# Altium PCB NANOEveryV3.0.PcbDoc
Units mm, origin at the board's own origin, x right, y up, seen from the top; angles counter-clockwise.
Board outline 43.18 x 17.78 mm, 4 copper layers (Top, PWR, MID, Bottom), stack 0.925 mm thick; 54 components, 49 nets, 279 pads, 133 vias.
Unrouted connection lines stored in the file: 5.
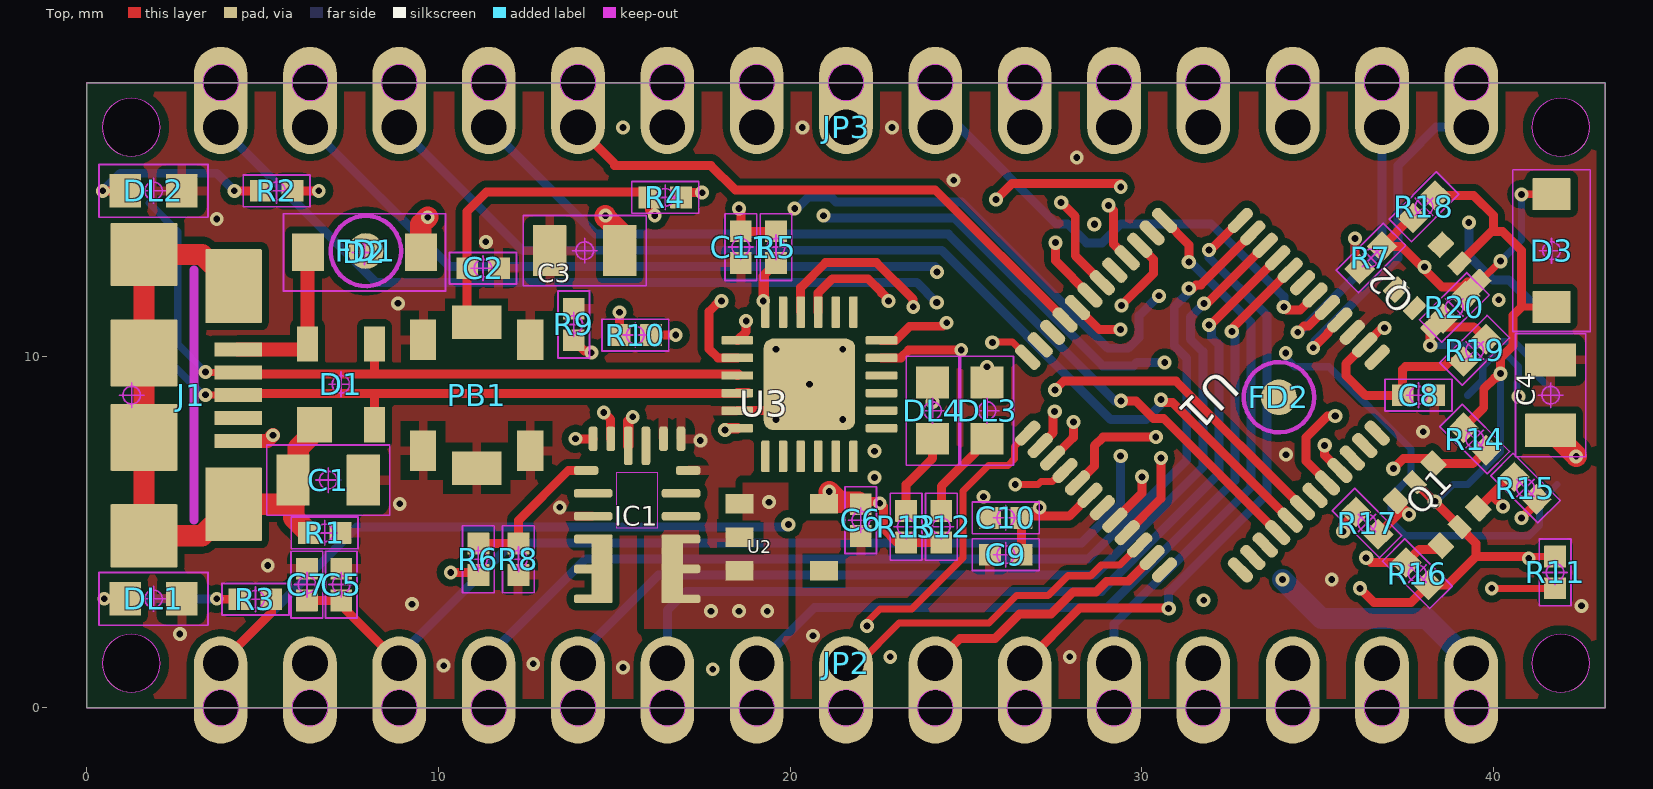
[diagram p0: Top view]
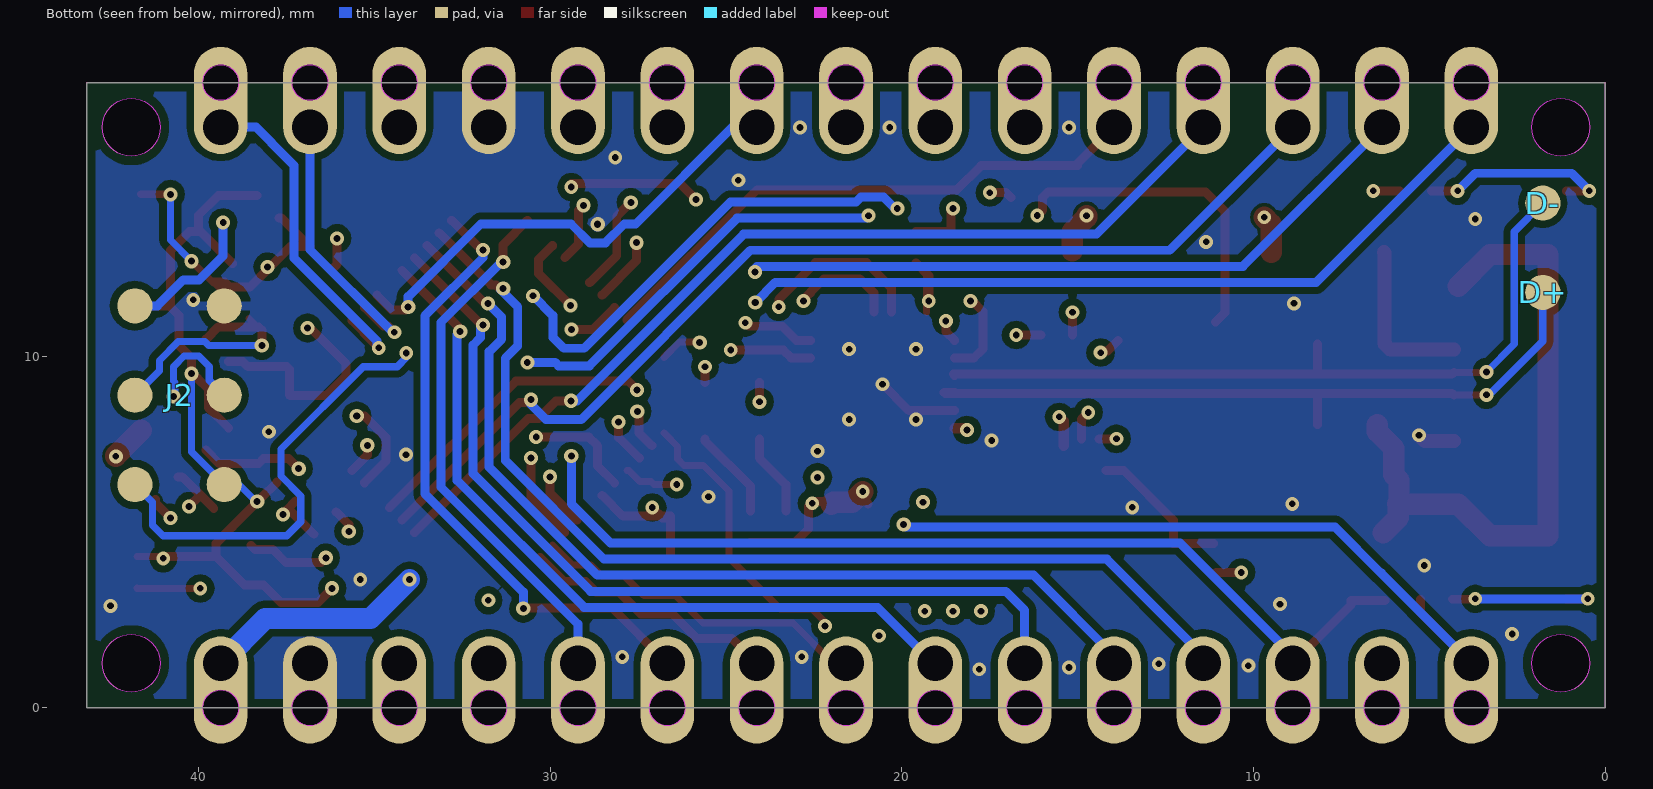
[diagram p1: Bottom view, seen from below]
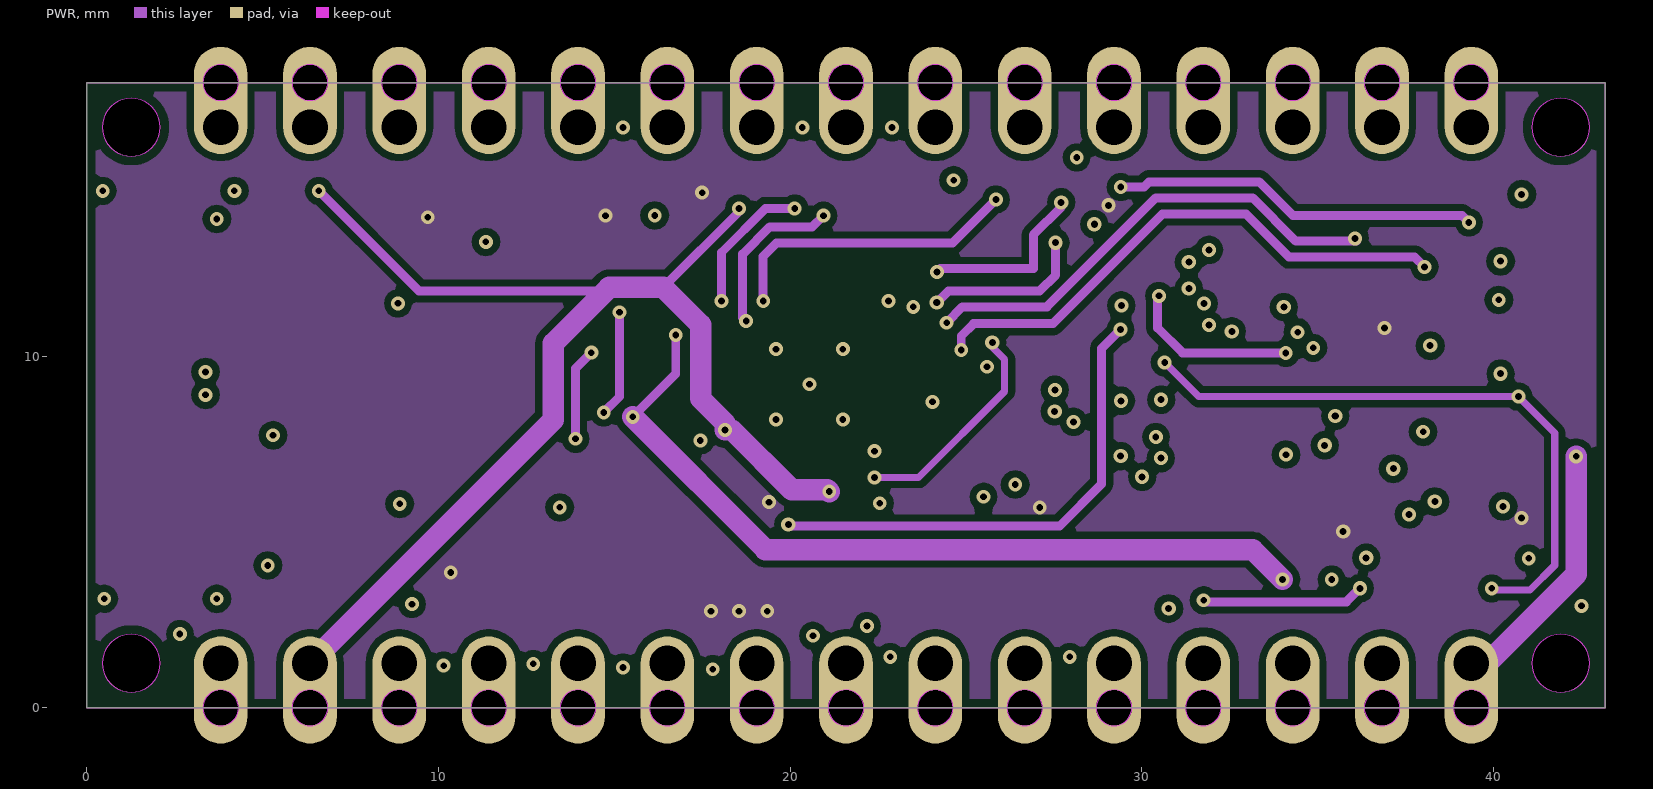
[diagram p2: PWR]
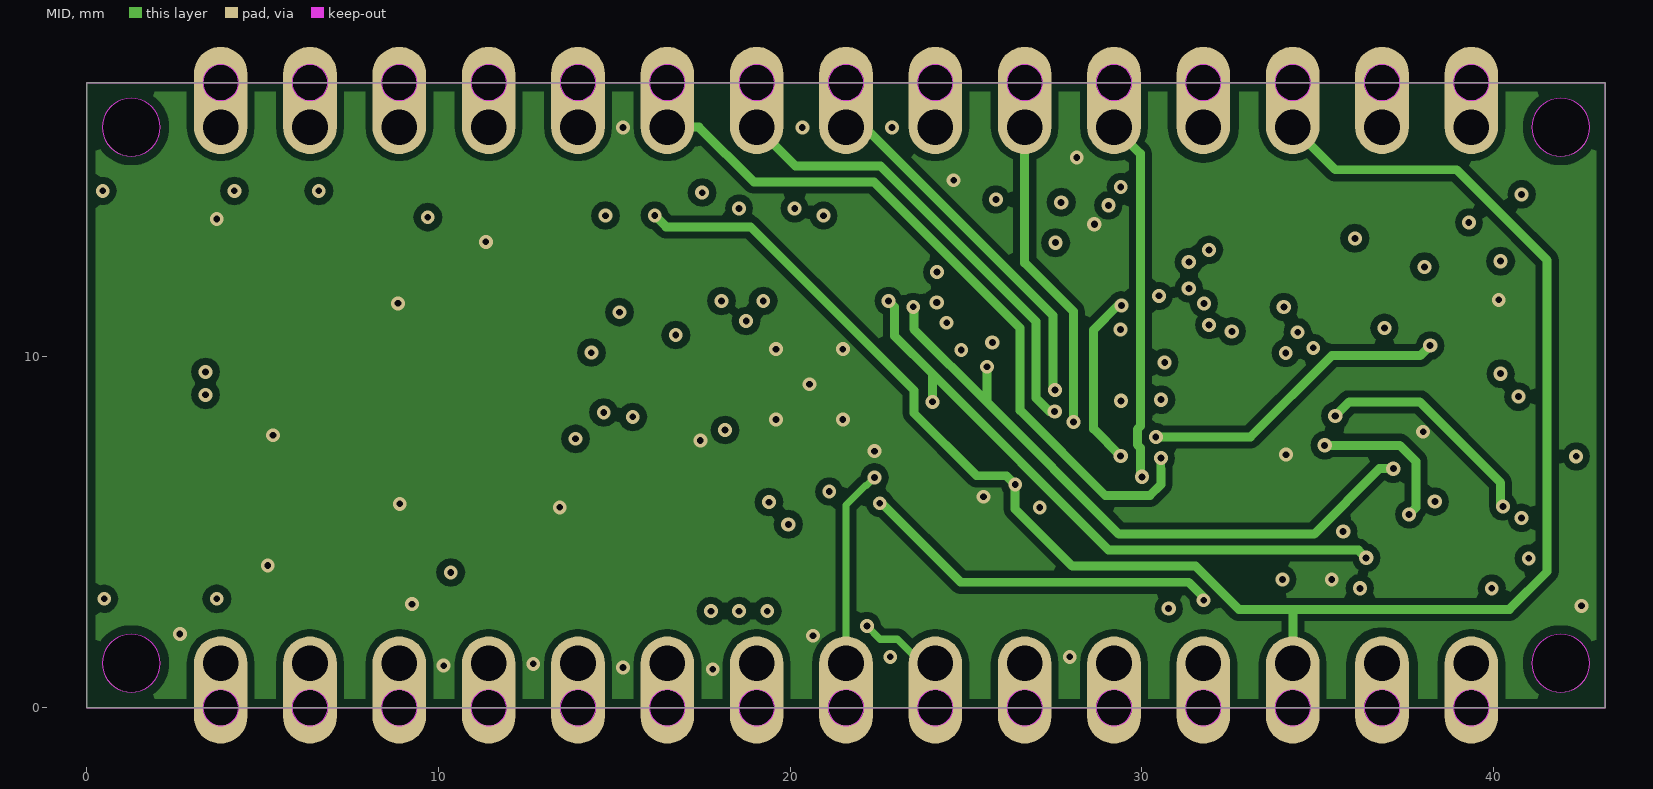
[diagram p3: MID]

## Layer stack, top to bottom
Top Solder: solder mask 0.0102, Solder Resist, Dk 3.5
Top: signal copper 0.035
Dielectric 1: core 0.2, FR-4, Dk 4.8
PWR: signal copper 0.0175
Dielectric3: core 0.3, FR-4, Dk 4.8
MID: signal copper 0.0175
Dielectric2: dielectric 0.32, FR-4, Dk 4.8
Bottom: signal copper 0.035
Bottom Solder: solder mask 0.0102, Solder Resist, Dk 3.5

## Board outline
43.18,0 0,0 0,17.78 43.18,17.78
cut-out: 41.91,0.445 ccw(c41.91,1.27) 42.735,1.27 ccw(c41.91,1.27) 41.91,2.095 ccw(c41.91,1.27) 41.084,1.27 ccw(c41.91,1.27)
cut-out: 41.91,15.684 ccw(c41.91,16.51) 42.735,16.51 ccw(c41.91,16.51) 41.91,17.335 ccw(c41.91,16.51) 41.084,16.51 ccw(c41.91,16.51)
cut-out: 1.27,15.684 ccw(c1.27,16.51) 2.095,16.51 ccw(c1.27,16.51) 1.27,17.335 ccw(c1.27,16.51) 0.445,16.51 ccw(c1.27,16.51)
cut-out: 1.27,0.445 ccw(c1.27,1.27) 2.095,1.27 ccw(c1.27,1.27) 1.27,2.095 ccw(c1.27,1.27) 0.445,1.27 ccw(c1.27,1.27)
cut-out: 13.97,17.272 ccw(c13.97,17.78) 14.478,17.78 ccw(c13.97,17.78) 13.97,18.288 ccw(c13.97,17.78) 13.462,17.78 ccw(c13.97,17.78)
cut-out: 16.51,17.272 ccw(c16.51,17.78) 17.018,17.78 ccw(c16.51,17.78) 16.51,18.288 ccw(c16.51,17.78) 16.002,17.78 ccw(c16.51,17.78)
cut-out: 19.05,17.272 ccw(c19.05,17.78) 19.558,17.78 ccw(c19.05,17.78) 19.05,18.288 ccw(c19.05,17.78) 18.542,17.78 ccw(c19.05,17.78)
cut-out: 11.43,17.272 ccw(c11.43,17.78) 11.938,17.78 ccw(c11.43,17.78) 11.43,18.288 ccw(c11.43,17.78) 10.922,17.78 ccw(c11.43,17.78)
cut-out: 3.81,17.272 ccw(c3.81,17.78) 4.318,17.78 ccw(c3.81,17.78) 3.81,18.288 ccw(c3.81,17.78) 3.302,17.78 ccw(c3.81,17.78)
cut-out: 6.35,17.272 ccw(c6.35,17.78) 6.858,17.78 ccw(c6.35,17.78) 6.35,18.288 ccw(c6.35,17.78) 5.842,17.78 ccw(c6.35,17.78)
cut-out: 8.89,17.272 ccw(c8.89,17.78) 9.398,17.78 ccw(c8.89,17.78) 8.89,18.288 ccw(c8.89,17.78) 8.382,17.78 ccw(c8.89,17.78)
cut-out: 21.59,17.272 ccw(c21.59,17.78) 22.098,17.78 ccw(c21.59,17.78) 21.59,18.288 ccw(c21.59,17.78) 21.082,17.78 ccw(c21.59,17.78)
cut-out: 34.29,17.272 ccw(c34.29,17.78) 34.798,17.78 ccw(c34.29,17.78) 34.29,18.288 ccw(c34.29,17.78) 33.782,17.78 ccw(c34.29,17.78)
cut-out: 36.83,17.272 ccw(c36.83,17.78) 37.338,17.78 ccw(c36.83,17.78) 36.83,18.288 ccw(c36.83,17.78) 36.322,17.78 ccw(c36.83,17.78)
cut-out: 39.37,17.272 ccw(c39.37,17.78) 39.878,17.78 ccw(c39.37,17.78) 39.37,18.288 ccw(c39.37,17.78) 38.862,17.78 ccw(c39.37,17.78)
cut-out: 31.75,17.272 ccw(c31.75,17.78) 32.258,17.78 ccw(c31.75,17.78) 31.75,18.288 ccw(c31.75,17.78) 31.242,17.78 ccw(c31.75,17.78)
cut-out: 24.13,17.272 ccw(c24.13,17.78) 24.638,17.78 ccw(c24.13,17.78) 24.13,18.288 ccw(c24.13,17.78) 23.622,17.78 ccw(c24.13,17.78)
cut-out: 26.67,17.272 ccw(c26.67,17.78) 27.178,17.78 ccw(c26.67,17.78) 26.67,18.288 ccw(c26.67,17.78) 26.162,17.78 ccw(c26.67,17.78)
cut-out: 29.21,17.272 ccw(c29.21,17.78) 29.718,17.78 ccw(c29.21,17.78) 29.21,18.288 ccw(c29.21,17.78) 28.702,17.78 ccw(c29.21,17.78)
cut-out: 29.21,-0.508 ccw(c29.21,0) 29.718,0 ccw(c29.21,0) 29.21,0.508 ccw(c29.21,0) 28.702,0 ccw(c29.21,0)
cut-out: 26.67,-0.508 ccw(c26.67,0) 27.178,0 ccw(c26.67,0) 26.67,0.508 ccw(c26.67,0) 26.162,0 ccw(c26.67,0)
cut-out: 24.13,-0.508 ccw(c24.13,0) 24.638,0 ccw(c24.13,0) 24.13,0.508 ccw(c24.13,0) 23.622,0 ccw(c24.13,0)
cut-out: 31.75,-0.508 ccw(c31.75,0) 32.258,0 ccw(c31.75,0) 31.75,0.508 ccw(c31.75,0) 31.242,0 ccw(c31.75,0)
cut-out: 39.37,-0.508 ccw(c39.37,0) 39.878,0 ccw(c39.37,0) 39.37,0.508 ccw(c39.37,0) 38.862,0 ccw(c39.37,0)
cut-out: 36.83,-0.508 ccw(c36.83,0) 37.338,0 ccw(c36.83,0) 36.83,0.508 ccw(c36.83,0) 36.322,0 ccw(c36.83,0)
cut-out: 34.29,-0.508 ccw(c34.29,0) 34.798,0 ccw(c34.29,0) 34.29,0.508 ccw(c34.29,0) 33.782,0 ccw(c34.29,0)
cut-out: 21.59,-0.508 ccw(c21.59,0) 22.098,0 ccw(c21.59,0) 21.59,0.508 ccw(c21.59,0) 21.082,0 ccw(c21.59,0)
cut-out: 8.89,-0.508 ccw(c8.89,0) 9.398,0 ccw(c8.89,0) 8.89,0.508 ccw(c8.89,0) 8.382,0 ccw(c8.89,0)
cut-out: 6.35,-0.508 ccw(c6.35,0) 6.858,0 ccw(c6.35,0) 6.35,0.508 ccw(c6.35,0) 5.842,0 ccw(c6.35,0)
cut-out: 3.81,-0.508 ccw(c3.81,0) 4.318,0 ccw(c3.81,0) 3.81,0.508 ccw(c3.81,0) 3.302,0 ccw(c3.81,0)
cut-out: 11.43,-0.508 ccw(c11.43,0) 11.938,0 ccw(c11.43,0) 11.43,0.508 ccw(c11.43,0) 10.922,0 ccw(c11.43,0)
cut-out: 19.05,-0.508 ccw(c19.05,0) 19.558,0 ccw(c19.05,0) 19.05,0.508 ccw(c19.05,0) 18.542,0 ccw(c19.05,0)
cut-out: 16.51,-0.508 ccw(c16.51,0) 17.018,0 ccw(c16.51,0) 16.51,0.508 ccw(c16.51,0) 16.002,0 ccw(c16.51,0)
cut-out: 13.97,-0.508 ccw(c13.97,0) 14.478,0 ccw(c13.97,0) 13.97,0.508 ccw(c13.97,0) 13.462,0 ccw(c13.97,0)

## Design rules (kind name [scope] priority, off if disabled: settings)
BoardOutlineClearance mdCopperDimension [All] p1: gap=0.254 ignorepadtopadclearanceinfootprint=FALSE except(0: Arc-SplitContinuation Track-SplitContinuation SMDPad-SplitContinuation THPad-SplitContinuation Via-SplitContinuation Fill-SplitContinuation Poly-SplitContinuation Region-SplitContinuation Text-SplitContinuation)
Clearance "Clearance (Same Net)" [All] p1: gap=0.203 ignorepadtopadclearanceinfootprint=FALSE
Clearance Clearance_for_NetClass_usb [InNetClass('usb') vs InNetClass('usb')] p2: gap=0.127 ignorepadtopadclearanceinfootprint=FALSE
Clearance [All] p3: gap=0.203 ignorepadtopadclearanceinfootprint=FALSE
HoleSize HoleSize_For_NetClass_usb [InNetClass('usb')] p1: absolutevalues=TRUE maxlimit=0.19 minlimit=0.19 maxpercent=80.000 minpercent=20.000
HoleSize [All] p2: absolutevalues=TRUE maxlimit=2540 minlimit=0.19 maxpercent=80.000 minpercent=20.000
HoleToHoleClearance mdDrill [All] p1: gap=0.203 allowstackedmicrovias=TRUE
MinimumSolderMaskSliver [All] p1 off: minsoldermaskwidth=0.254
PasteMaskExpansion Expansion_SMDPaste_OFF [InPadClass('SMDPaste_OFF')] p1: expansion=0
PasteMaskExpansion mlMinCreamFrame [All] p2: expansion=0
PolygonConnect PolygonConnect_For_PolygonThermal_ON_Width100000_Gap100000 [InPolygonClass('PolygonThermal_ON_Width100000_Gap100000') vs Not IsVia] p1: connectstyle=Relief reliefconductorwidth=0.254 reliefentries=4 polygonreliefangle="90 Angle" airgapwidth=0.254
PolygonConnect PolygonConnect_For_PolygonThermal_OFF [InPolygonClass('PolygonThermal_OFF')] p2: connectstyle=Direct reliefconductorwidth=0.254 reliefentries=4 polygonreliefangle="90 Angle" airgapwidth=0.254
PolygonConnect ThermalVias [IsVia] p3: connectstyle=Direct reliefconductorwidth=0.254 reliefentries=4 polygonreliefangle="90 Angle" airgapwidth=0.254
PolygonConnect [All] p4: connectstyle=Relief reliefconductorwidth=0.254 reliefentries=4 polygonreliefangle="90 Angle" airgapwidth=0.254
RoutingVias [All] p1: holewidth=0.19 width=0.393 viastyle="Through Hole" minholewidth=0.19 minwidth=0.393 maxholewidth=2.54 maxwidth=2.54
SolderMaskExpansion Expansion_SMDSolder_OFF [InPadClass('SMDSolder_OFF')] p1: expansion=0 istentingtop=FALSE
SolderMaskExpansion mlMinStopFrame [All] p2: expansion=0.102 istentingtop=FALSE
Width Width_For_NetClass_usb [InNetClass('usb')] p1: maxlimit=0.254 minlimit=0.19 preferedwidth=0.19
Width [All] p2: maxlimit=0.254 minlimit=0.203 preferedwidth=0.203
26 further rules are at their usual default settings.

## Classes and differential pairs
pad class SMDSolder_OFF: U1-EP
pad class SMDPaste_OFF: U1-EP
net class usb: USB_N USB_P

## Components (designator, comment, footprint, x,y, rotation, side; value= is the part's Value field where it differs from the comment)
C1 "" 0805-R2013X50N 6.867,6.475 r0 top
C2 "" 0402-1005X55N 11.27,12.5 r0 top
C3 "" 0805-R2013X50N 14.163,13 r180 top
C4 "" 0805-R2013X50N 41.625,8.89 r90 top
C5 "" 0402-1005X55N 7.237,3.505 r90 top
C6 "" 0402-1005X55N 22.01,5.338 r270 top
C7 "" 0402-1005X55N 6.263,3.505 r90 top
C8 "" 0402-1005X55N 37.868,8.89 r180 top
C9 "" 0402-1005X55N 26.133,4.355 r0 top
C10 "" 0402-1005X55N 26.133,5.403 r0 top
C11 "" 0402-1005X55N 18.6,13.1 r90 top
D1 "" SOT190P230X110-4N 7.23,9.2 r90 top
D2 "PMEG6020" SODFL3517X110N 7.9,12.95 r180 top
D3 "DNP" SODFL3517X110N 41.65,13 r90 top
D+ "" TP-1.00MM 1.778,11.811 r0 top
D- "" TP-1.00MM 1.778,14.351 r0 top
DL1 "" LEDC1608X80N-AK 1.9,3.1 r180 top
DL2 "" LEDC1608X80N-AK 1.9,14.7 r180 top
DL3 "" LEDC1608X80N-AK 25.6,8.45 r270 top
DL4 "" LEDC1608X80N-AK 24.05,8.45 r270 top
FD1 "" FD-1-1.5 7.94,12.99 r0 top
FD2 "" FD-1-1.5 33.9,8.83 r0 top
FRAME1 "" FRAME 0.15,-3.2 r0 top
IC1 "MPM3610" MPM3610 15.65,5.2 r0 top
J1 "" ZX62-AB-5PA 1.28,8.89 r270 top
J2 "" 2X03-TP 40.538,8.89 r90 top
JP2 "-" 1X15-CASTELL 21.59,1.27 r0 top
JP3 "" 1X15-CASTELL 21.59,16.51 r180 top
PB1 "" C&K_PTS820_NO_HOLES 11.09,8.89 r90 top
Q1 "BSS138PS" SOT363 38.4,5.78 r45 top
Q2 "BSS138PS" SOT363 38.4,12 r135 top
R1 "" 0402-1005X55N 6.768,4.975 r180 top
R2 "" 0402-1005X55N 5.4,14.7 r0 top
R3 "" 0402-1005X55N 4.8,3.088 r0 top
R4 "" 0402-1005X55N 16.45,14.513 r0 top
R5 "" 0402-1005X55N 19.6,13.1 r90 top
R6 "" 0402-1005X55N 11.137,4.225 r270 top
R7 "" 0402-1005X55N 36.515,12.794 r225 top
R8 "" 0402-1005X55N 12.275,4.225 r90 top
R9 "" 0402-1005X55N 13.85,10.9 r270 top
R10 "" 0402-1005X55N 15.6,10.6 r0 top
R11 "" 0402-1005X55N 41.75,3.85 r270 top
R12 "" 0402-1005X55N 24.3,5.15 r270 top
R13 "" 0402-1005X55N 23.3,5.15 r270 top
R14 "" 0402-1005X55N 39.465,7.644 r135 top
R15 "" 0402-1005X55N 40.908,6.25 r315 top
R16 "" 0402-1005X55N 37.835,3.815 r315 top
R17 "" 0402-1005X55N 36.404,5.253 r135 top
R18 "" 0402-1005X55N 38.023,14.247 r45 top
R19 "" 0402-1005X55N 39.465,10.165 r225 top
R20 "" 0402-1005X55N 38.886,11.386 r225 top
U1 "ATMEGA4809" TQFP48 31.725,8.89 r135 top
U2 "" SOT25 19.762,4.85 r90 top
U3 "" HVQFN24 20.55,9.2 r0 top

## Footprints (in the part's own frame and the unit in brackets; to place one, negate y for a bottom-side part, rotate by r counter-clockwise, add the part's x,y. Pads: shape width x height; smd on the part's side, far side on the other; paste and mask are expansions set on the pad)
1X15-CASTELL [mil] "1X15-CASTELL"
  oval 60x120 hole 40 copper offset 0,-30: 1(-700,0) 2(-600,0) 3(-500,0) 4(-400,0) 5(-300,0) 6(-200,0) 7(-100,0) 8(0,0) 9(100,0) 10(200,0) 11(300,0) 12(400,0) 13(500,0) 14(600,0) 15(700,0)
  body extent -730,-90 730,30, height 150
2X03-TP [mm] "2X03-TP"
  rrect100% 1x1 smd far side paste+0: 1(-2.54,1.27) 2(-2.54,-1.27) 3(0,1.27) 4(0,-1.27) 5(2.54,1.27) 6(2.54,-1.27)
  body extent -3.05,-1.78 3.05,1.78, height 1.27
0402-1005X55N [mm] "0402-1005X55N"
  rrect3% 0.62x0.62 smd: 1(-0.45,0) 2(0.45,0)
  Top keep-out circle w0.05: c0,0 r0.25
  Top keep-out lines w0.05: -0.35,0 0.35,0 ; 0,-0.35 0,0.35 ; -0.95,-0.45 -0.95,0.45 0.95,0.45 0.95,-0.45 -0.95,-0.45
  body extent -0.98,-0.48 0.98,0.48, height 3.81
0805-R2013X50N [mm] "0805-R2013X50N"
  rrect3% 0.95x1.45 smd: 1(-1,0) 2(1,0)
  Top keep-out circle w0.05: c0,0 r0.25
  Top keep-out lines w0.05: -0.35,0 0.35,0 ; 0,-0.35 0,0.35 ; -1.75,-1 -1.75,1 1.75,1 1.75,-1 -1.75,-1
  body extent -1.78,-1.03 1.78,1.03, height 3.81
C&K_PTS820_NO_HOLES [mm] "C&K_PTS820_NO_HOLES"
  rect 1.15x0.75 smd: 1(-1.575,1.525) 2(-1.575,-1.525) 3(1.575,1.525) 4(1.575,-1.525)
  rect 0.95x1.4 smd: 5(-2.075,0) 6(2.075,0)
  body extent -2.55,-1.9 2.55,1.9, height 1.27
FD-1-1.5 [mil] "FD-1-1.5"
  rrect100% 40x40 smd paste+0: P$1(0,0)
  Top keep-out circle w5: c0,0 r39.37
  body extent -44,-44 44,44, height 150